# Altium PCB PCB.PcbDoc (part 2 of 2)
Units mm, origin at the board's own origin, x right, y up, seen from the top; angles counter-clockwise.
Board outline 126.1 x 30.1 mm, 6 copper layers (Top Layer, Signal Layer 1, Signal Layer 2, Signal Layer 3, Signal Layer 4, Bottom Layer), stack 1.537 mm thick; 174 components, 100 nets, 536 pads, 378 vias.
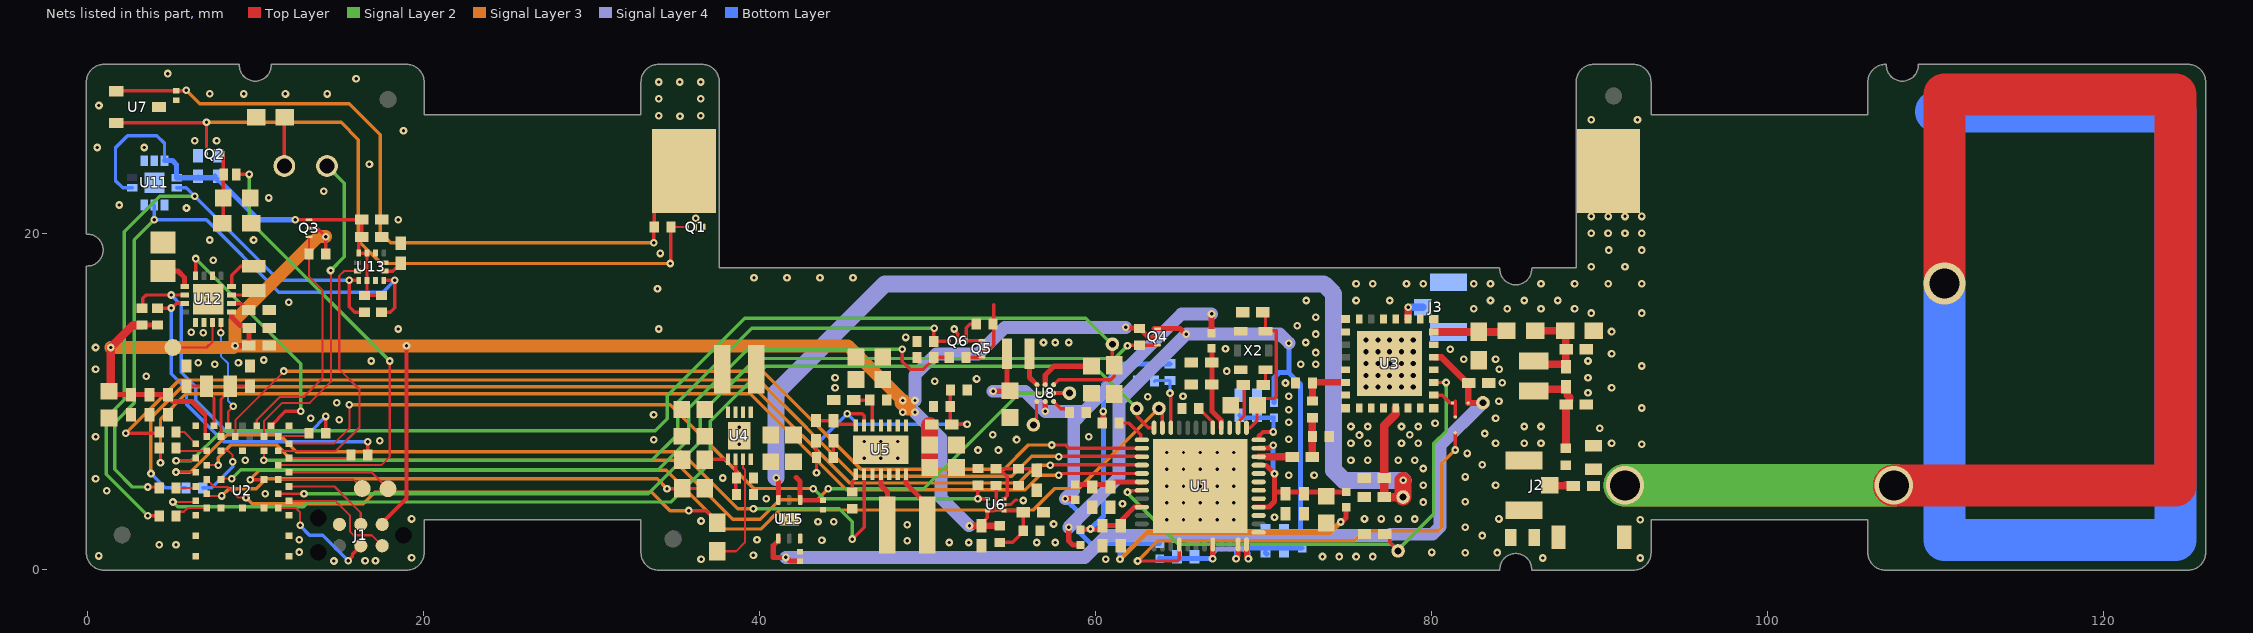
[diagram p6: the nets of this part, all layers, seen from the top]

## Via types
v1: diameter 0.457, hole 0.203, Top Layer to Bottom Layer, tented both sides, 314 vias
v2: diameter 0.457, hole 0.203, Top Layer to Bottom Layer, 33 vias
v3: diameter 0.559, hole 0.305, Top Layer to Bottom Layer, 25 vias
v4: diameter 0.5, hole 0.2, Top Layer to Bottom Layer, 3 vias
v5: diameter 2.286, hole 1.778, Top Layer to Bottom Layer, 2 vias
v6: diameter 2.5, hole 1.778, Top Layer to Bottom Layer, 1 vias

## Nets (pads, with @x,y where several pads share a name; then routed paths per layer and width w, separated by ;. In a path a pad name is that pad's centre, name@x,y a point inside that pad or via, vN(x,y) a via of type N, cw(c..) or ccw(c..) an arc to the next point about the centre after c; other vN are vias at no path point)
1V8: C37.1 FB2.1 FB4.1 FB7.1 FB8.1 L5.2 U8.C2 | length 50.4
  Top Layer w0.305: v2(53.9,10.6) 54.552,10.6 54.721,10.769 C37.1@54.721,10.808 ; L5.2@54.721,12.823 C37.1@54.721,10.808 ; C37.1@54.899,10.63 C37.1@54.721,10.808 ; v1(57,9.4) 57.005,9.405 U8.C2@57.005,9.985 ; v1(58.2,4.2) 58.75,4.2 FB2.1@58.8,4.15 ; v1(74.581,2.819) 74.61,2.849 74.68,2.849 74.9,3.068 74.9,3.608 74.919,3.627 FB7.1@74.919,3.706
  Top Layer w0.381: FB8.1@66.9,14.25 v1(66.9,15.2)
  Signal Layer 3 w0.305: v1(61.453,0.608) 63.045,2.2 73.961,2.2 v1(74.581,2.819)
  Signal Layer 4 w0.762: v2(53.9,10.6) 55.8,10.6 v1(57,9.4) 59.314,9.4 ; v1(58.2,4.2) 58.7,4.7 58.7,8.786 ; 58.7,9 58.7,8.786 ; v1(66.9,15.2) 65.114,15.2 59.314,9.4 ; 58.7,8.786 59.314,9.4
  Bottom Layer w0.305: v1@58.3,4.1 59,3.4 59,2.236 59.708,1.529 61.453,1.529 ; v1(61.453,0.608) 61.453,1.529 ; FB4.1@63.808,1.529 61.453,1.529
1V8_EN: R60.2 TP20.TP U2.29 U8.A3 | length 67.8
  Top Layer w0.127: v1(5.289,6.46) 5.321,6.492 6.328,6.492 U2.29@6.465,6.628
  Top Layer w0.203: U8.A3@57.505,10.985 57.806,11.287 60.902,11.287 61.111,11.496 R60.2@61.111,12.135 61,12.246 TP20.TP@61,13.4
  Signal Layer 2 w0.203: v1(5.289,6.46) 6.204,6.46 7.994,8.251 33.801,8.251 34.519,8.968 34.519,10.338 39.116,14.935 59.425,14.935 60.952,13.407 TP20.TP@61.162,13.407
1V8_MODE: TP21.TP U2.30 U8.B3 | length 58.1
  Top Layer w0.127: U2.30@7.115,6.203 7.118,6.2 v1(7.8,6.2)
  Top Layer w0.203: U8.B3@57.505,10.485 TP21.TP@58.444,10.485
  Signal Layer 2 w0.203: v1(44.1,4.8) 49.783,4.8 55.468,10.485 TP21.TP@58.444,10.485 TP21.TP@58.347,10.583
  Signal Layer 3 w0.203: v1(7.8,6.2) 7.8,6.646 8.554,7.4 11.269,7.4 12.169,6.5 34.9,6.5 38.421,2.979 40.036,2.979 41.202,4.145 43.445,4.145 v1(44.1,4.8)
2V7: C48.1 C68.1 SB2.2 TP6.TP U3.5 U15.1 | length 55.7
  Top Layer w0.305: U15.1@41.123,1.829 41.123,1.709 40.824,1.41 40.824,0.711 v1(41.561,0.711) 41.602,0.711 41.814,0.5 42.405,0.5 C68.1@42.423,0.482
  Top Layer w0.381: U3.5@80.123,12.621 80.133,12.611 80.589,12.611 82.1,11.1 C48.1@82.2,11.1 82.299,11.001 82.279,11.001 82.269,10.991 82.165,10.991 SB2.2@82.165,9.9 TP6.TP@82.7,9.9
  Signal Layer 4 w0.762: v1(41.561,0.711) 59.361,0.711 60.656,2.007 77.445,2.007 77.529,2.091 80.054,2.091 80.5,2.537 80.5,7.363 TP6.TP@83.048,9.911
3V3: C14.1 C15.1 C16.1 C17.1 C28.1 C31.1 C32.1 C40.1 C41.1 C90.1 J1.1 Q3.2 Q4.2 R19.1 R22.2 R30.2 R31.2 R32.1 R33.1 R44.2 U2.25 U5.8 U5.9 U6.6 U12.13 | length 121.5
  Top Layer w0.203: 7.018,9.212 7.018,8 U2.25@7.115,7.903 ; Q3.2@13.199,20.3 13.7,20.3 v1(14.2,19.8) R33.1@14.2,18.759 ; C28.1@53.2,2.6 53.2,2.7 53.56,3.06 U6.6@53.56,3.49 53.561,3.492 53.931,3.492 54.085,3.646 R19.1@54.085,4.99
  Top Layer w0.254: J1.1@17.551,2.673 17.551,2.762 19,4.21 v1(19,13.3)
  Top Layer w0.305: C17.1@1.3,10.6 1.5,10.4 C16.1@2.6,10.4 C15.1@3.7,10.4 C14.1@4.8,10.4 4.8,10.3 5.112,9.988 6.242,9.988 7.018,9.212 ; C17.1@1.4,10.648 C17.1@1.516,10.532 ; R30.2@3.267,14.542 4.194,14.542 R31.2@4.196,14.54 R31.2@4.236,14.5 ; R30.2@3.307,14.54 R30.2@3.315,14.531 ; U12.13@8.592,15.325 8.598,15.325 8.601,15.322 8.601,14.991 9.071,14.52 9.487,14.52 C40.1@9.635,14.373 C41.1@9.635,13.306 ; v1(8.8,13.3) 8.807,13.307 C41.1@9.634,13.307 ; v1(61.792,14.402) 61.821,14.373 62.576,14.373 R32.1@62.618,14.331 ; R32.1@62.6,14.331 R32.1@62.618,14.331 ; Q4.2@63.685,13.831 63.128,13.831 62.628,14.331 R32.1@62.618,14.331
  Top Layer w0.381: v1(52.5,2.6) C28.1@53.2,2.6 R44.2@54.3,2.6
  Top Layer w0.5: C17.1@1.4,10.648 v1(1.4,13.2) 2.732,14.532 3.257,14.532 R30.2@3.267,14.542
  Top Layer w1.016: C31.1@50.13,6.059 C32.1@50.13,7.406 C90.1@50.13,8.573
  Signal Layer 3 w0.762: v1(1.4,13.2) 8.7,13.2 v1(8.8,13.3) 8.8,14.831 13.769,19.8 v1(14.2,19.8) ; v1@8.866,13.3 v1(19,13.3) 45.276,13.3 48.543,10.033 v1@48.543,9.931
  Signal Layer 3 w1.016: v1@48.543,9.931 48.797,9.677
  Signal Layer 4 w0.762: v1(49.254,9.352) 50.802,7.803 50.802,4.258 v1@52.46,2.6 ; v1(49.254,10.049) 49.254,11.557 50.52,12.823 53.023,12.823 54.6,14.4 v1@61.792,14.4
  other v1: 48.517,9.352 48.517,10.049
3V3_MODE: U2.31 U5.2 | length 49.7
  Top Layer w0.127: v1(5.283,5.791) 6.452,5.791 U2.31@6.465,5.778
  Top Layer w0.203: v1(45.52,1.803) 46.228,2.511 U5.2@46.228,5.66
  Signal Layer 2 w0.203: v1(39.641,3.604) 39.645,3.6 44.746,3.6 45.52,2.825 v1(45.52,1.803)
  Signal Layer 3 w0.203: v1(5.283,5.791) 6.121,5.791 8.33,8 11.445,8 12.441,7.004 35.307,7.004 38.707,3.604 v1(39.641,3.604)
3V3_SW1: L4.1 U5.4 | length 3.2
  Top Layer w0.305: U5.4@47.228,5.66 47.228,4.989 47.612,4.605 L4.1@47.612,2.63
3V3_SW2: L4.2 U5.7 | length 3.5
  Top Layer w0.305: U5.7@48.728,5.66 48.728,5.094 49.982,3.84 L4.2@49.982,2.63
4V2: C26.1 C27.1 C46.1 C47.1 C67.1 R15.2 TP4.TP U3.26 U4.8 U15.4 U15.6 | length 67.4
  Top Layer w0.254: U15.4@42.425,4.135 42.423,4.133 U15.4@42.423,4.129 42.423,4.117 42.425,4.115 C67.1@43.79,4.115
  Top Layer w0.305: U15.6@41.123,4.129 41.123,5.239 ; 42.189,5.461 42.423,5.228 U15.4@42.423,4.133
  Top Layer w0.508: U3.26@77.861,9.575 77.861,9.247 77.181,8.566 C46.1@77.181,5.449 C47.1@77.181,4.304 TP4.TP@78.1,4.304
  Top Layer w1.016: TP4.TP@78.3,4.304 v1(78.3,5.3)
  Signal Layer 4 w1.016: v1(40.996,5.461) 40.996,10.516 47.469,16.989 73.573,16.989 74.168,16.394 74.168,5.895 74.763,5.3 v1(78.3,5.3)
4V2_MODE: R18.1 U2.32 | length 32
  Top Layer w0.127: U2.32@7.115,5.353 7.566,4.902 8.357,4.902 8.992,4.267 v1(9.449,4.267)
  Top Layer w0.203: v1(35.8,3.5) 36.821,3.5 37.49,2.83 R18.1@37.49,2.78
  Signal Layer 3 w0.203: v1(9.449,4.267) 9.816,3.9 16.416,3.9 17.108,4.592 33.586,4.592 34.678,3.5 v1(35.8,3.5)
4V2_S\H\D\N\: R17.1 R59.2 U2.34 | length 30.4
  Top Layer w0.127: U2.34@7.115,4.503 7.249,4.37 v1(8.007,4.37)
  Top Layer w0.203: v1(34.5,4.8) 35.537,4.8 35.549,4.813 R17.1@36.745,4.813
  Signal Layer 3 w0.203: v1(8.007,4.37) 8.437,4.801 10.058,4.801 10.647,5.389 33.911,5.389 v1(34.5,4.8)
\C\O\L\D\: R46.2 U2.13 U6.4 | length 46.4
  Top Layer w0.127: U2.13@12.015,7.478 12.037,7.5 14.7,7.5 15.6,8.4 v1(15.6,9.8)
  Top Layer w0.203: R46.2@53,5 v1(53,4.2) 53.01,4.19 U6.4@53.56,4.19
  Signal Layer 2 w0.203: v1(43.2,4.8) 43.226,4.8 43.826,4.2 v1(53,4.2)
  Signal Layer 3 w0.203: v1(15.6,9.8) 34.68,9.8 39.668,4.812 v1@43.2,4.812
ACC_INT1_XL: U2.12 U13.12 | length 16.1
  Top Layer w0.127: U2.12@11.365,7.053 14.808,7.053 16.2,8.445 16.2,10.7 15,11.9 15,17.461 15.289,17.75 U13.12@16.085,17.75
ARTIC_3V3: FB1.1 FB9.1 FB10.1 Q4.3 | length 38.6
  Top Layer w0.305: v1(58.4,2.5) 58.4,1.694 58.654,1.44 FB1.1@59.2,1.44 ; 63.485,14.331 Q4.3@63.685,14.331 65.027,14.331 65.359,14 v1(65.4,14)
  Signal Layer 4 w0.762: v1@58.401,2.501 61.4,5.5 61.4,10 v1(65.4,14) 70.962,14 v1(71.5,13.462)
  Bottom Layer w0.305: FB10.1@70.615,9.919 70.615,11.4 70.921,11.705 71.5,11.705 ; v1(71.5,13.462) 71.5,11.705 ; FB9.1@72.3,2.15 72.202,2.248 72.202,2.424 72.2,2.426 72.2,11.005 71.5,11.705
Artic_INT1: TP1.TP U1.47 U2.41 | length 60.9
  Top Layer w0.203: v1(9.703,5.334) 9.713,5.344 10.505,5.344 U2.41@10.515,5.353 ; TP1.TP@63.769,9.576 63.769,9.411 63.979,9.201 U1.47@63.979,8.429
  Signal Layer 3 w0.203: v1(9.703,5.334) 9.751,5.285 9.751,5.427 10.231,5.906 34.467,5.906 37.974,2.4 40.074,2.4 41.207,3.534 56.3,3.534 57.579,4.812 59.006,4.812 TP1.TP@63.769,9.576
Artic_INT2: TP2.TP U1.48 U2.35 | length 66.6
  Top Layer w0.127: v1(5.104,4.011) 6.397,4.011 U2.35@6.465,4.078
  Top Layer w0.203: TP2.TP@62.448,9.576 62.448,9.126 63.145,8.429 U1.48@63.479,8.429
  Signal Layer 2 w0.203: v1(5.104,4.011) 5.381,3.734 12.888,3.734 13.165,4.011 34.748,4.011 37.084,6.347 37.084,8.814 40.361,12.09 59.934,12.09 TP2.TP@62.448,9.576
Artic_MISO: R49.2 U1.5 | length 65.5
  Top Layer w0.203: R49.2@4.283,7.233 4.452,7.065 4.365,6.978 v1(4.365,6.345) ; v1(57.8,5.6) v1@57.904,5.704 ; v1@57.806,5.704 v1@57.904,5.704 ; U1.5@62.744,5.703 62.743,5.704 v1@57.904,5.704
  Signal Layer 3 w0.203: v1(4.365,6.345) 4.365,8.949 5.869,10.454 39.441,10.454 45.161,4.733 55.808,4.733 56.675,5.6 v1(57.8,5.6)
Artic_MOSI: R48.2 U1.4 | length 68.3
  Top Layer w0.203: v1(57.3,6.2) v1@57.319,6.219 ; v1@57.31,6.219 v1@57.319,6.219 ; U1.4@62.719,6.211 62.711,6.219 v1@57.319,6.219
  Signal Layer 3 w0.203: v1@3.789,5.692 3.789,9.008 5.641,10.86 39.642,10.86 45.362,5.14 55.431,5.14 56.492,6.2 v1(57.3,6.2)
  Bottom Layer w0.203: v1(3.8,5.7) 4.649,4.851 R48.2@5.875,4.851
Artic_NSS: U1.2 U2.21 | length 59.3
  Top Layer w0.127: U2.21@8.849,7.938 U2.21@8.815,7.903 8.815,8.881 11.7,11.766 v1(11.7,11.8)
  Top Layer w0.203: v1(57.4,7.4) 58.2,7.4 ; 58.215,7.4 58.41,7.204 U1.2@62.754,7.204 U1.2@62.749,7.2
  Signal Layer 3 w0.203: v1(11.7,11.8) 40.197,11.8 46.044,5.953 54.555,5.953 56.002,7.4 v1(57.4,7.4)
ARTIC_ON_3V3: Q4.1 R32.2 U2.6 | length 56.9
  Top Layer w0.127: U2.6@11.365,4.503 11.368,4.5 v1(12.9,4.5)
  Top Layer w0.203: v1(61.9,13.3) 61.931,13.331 Q4.1@63.685,13.331
  Signal Layer 2 w0.203: v1(12.9,4.5) 33.383,4.5 36.474,7.592 36.474,9.22 39.802,12.548 61.153,12.548 61.9,13.294 v1(61.9,13.3)
Artic_SCK: R47.2 U1.3 | length 66.7
  Top Layer w0.203: v1(2.3,8.1) 4.21,8.1 R47.2@4.283,8.173 ; v1@57.8,6.719 62.719,6.719 U1.3@62.744,6.694
  Signal Layer 3 w0.203: v1(2.3,8.1) 5.467,11.267 39.963,11.267 45.683,5.546 55.002,5.546 56.189,6.733 57.766,6.733 v1(57.8,6.7)
GND: BT1.2 C1.2 C2.2 C3.2 C4.2 C5.2 C6.2 C7.2 C8.2 C9.2 C10.2 C11.2 C12.2 C13.2 C14.2 C15.2 C16.2 C17.2 C18.2 C19.2 C20.2 C22.2 C23.2 C24.2 C25.2 C26.2 C27.2 C28.2 C29.2 C30.2 C31.2 C32.2 C33.2 C34.2 C35.2 C36.2 C37.2 C38.2 C40.2 C41.2 C42.2 C43.2 C44.2 C45.2 C46.2 C47.2 C48.2 C49.1 C60.2 C61.2 C62.2 C63.1 C65.1 C66.1 C67.2 C68.2 C89.2 J1.3 J2.2 J2.3 J3.2 J3.3 L9.2 L10.2 Q2.2 Q6.2 R2.2 R6.1 R7.1 R9.1 R10.1 R11.1 R12.1 R16.1 R20.1 R25.1 R26.1 R42.1 R43.1 R45.1 R46.1 R56.2 R58.1 R59.1 R60.1 U1.25 U1.27 U1.29 U1.30 U1.31 U1.32 U1.39 U1.49 U2.1 U2.2 U2.3 U2.15 U2.26 U2.37 U2.38 U2.39 U2.40 U2.43 U2.46 U2.47 U3.1 U3.4 U3.6 U3.8 U3.9 U3.11 U3.12 U3.14 U3.15 U3.16 U3.19 U3.21 U3.22 U3.23 U3.24 U3.25 U3.27 U3.28 U3.29 U4.2 U4.3 U4.9 U5.3 U5.5 U5.6 U5.15 U6.2 U7.2 U8.B1 U8.B2 U11.3 U11.5 U11.8 U11.9 U11.11 U12.2 U12.9 U12.10 U12.17 U13.3 U13.6 U13.8 U15.3 U15.7 X2.1 X2.3 | length 1.7
  Top Layer w0.178: U6.2@54.56,3.84 54.571,3.851 54.934,3.851 55.2,4.117 55.326,4.117
  Top Layer w0.203: v1(51.6,14.3) 51.6,14.231 51.8,14.031 51.8,13.582 Q6.2@51.794,13.576
  other v1: 14.681,0.501 16.535,0.508 17.157,0.508 60.6,0.6 36.525,0.609 86.6,0.676 92.4,0.676 19.3,0.7 73.5,0.761 74.5,0.761 75.5,0.761 76.5,0.761 0.688,0.8 39.641,0.85 81.997,0.983 80,1.007 83.9,1 12.626,1.029 4.283,1.471 5.283,1.471 51.3,1.6 52.46,1.6 56.5,1.6 57.6,1.6 48.802,1.709 43.717,1.738 12.626,1.759 39.853,1.766 83,2.013 82,2.5 48.802,2.646 57.5,2.7 43.483,2.83 44.425,2.83 36.525,2.88 92.4,2.954 19.3,3 76,3 77,3 78,3 78.997,2.998 84,3 70.644,3.104 61.6,3.9 79.5,4.005 82,4.017 55.7,4.1 40.4,4.2 10.6,4.5 1.164,4.681 79.5,5.004 83.8,5 0.5,5.4 37.821,5.436 82,5.5 71.5,5.6 73,5.6 79.5,6.003 83,6.219 9.4,6.5 75.193,6.5 76.201,6.5 78,6.5 78.997,6.5 82.112,6.898 53.005,7.1 54.221,7.1 92.5,7.454 75.193,7.508 76.201,7.5 78.2,7.508 79.2,7.5 83.8,7.5 85.5,7.5 86.5,7.5 90.7,7.512 17.4,7.645 33.718,7.717 55.3,7.723 71.5,7.75 0.5,7.9 59.6,7.9 75.7,7.99 53.883,8.019 78.7,8.019 83.158,8.085 90,8.4 75.193,8.5 76.201,8.5 78.2,8.5 79.2,8.5 85.5,8.5 86.5,8.5 80.2,8.7 71.5,8.75 15,8.908 13.3,9 83.8,9 33.7,9.2 71.5,9.5 92.5,9.6 14.846,9.907 84,10.002 63.1,10.277 65.2,10.3 71.501,10.3 89.3,10.5 44.5,10.8 90.7,10.8 71.3,11.091 84.2,11.1 50.43,11.192 52.918,11.331 44.5,11.4 89.3,11.4 3.508,11.5 67.8,11.8 0.5,11.9 84.022,11.9 92.5,12.1 7.582,12.2 72.2,12.2 73.1,12.2 6.612,12.3 9,12.3 16.9,12.4 89.3,12.4 10.5,12.459 81.9,12.5 83.8,12.5 90.7,12.821 73.1,12.9 81.1,13.1 67.73,13.129 0.5,13.2 56.9,13.5 57.6,13.5 58.412,13.5 72.5,13.5 48.7,13.8 73.1,14 6.9,14.077 6.2,14.1 90.7,14.15 18.5,14.3 34,14.3 72,14.5 73.1,15 89.5,15.25 92.5,15.25 82.5,15.5 84.5,15.5 86.5,15.5 88.5,15.5 12,15.888 72.531,16 75.5,16 77.498,16 83.5,16 85.5,16 87.5,16 33.932,16.7 75.5,17 76.5,17 78.5,17 79.5,17 82.5,17 83.5,17 86.5,17 88.5,17 90.5,17 92.5,17 39.675,17.348 41.639,17.348 43.603,17.348 45.568,17.348 89.5,18 91.5,18 7.5,18.4 34.1,18.8 90.532,19 92.5,19 7.3,19.6 9.9,19.6 89.5,20 90.493,20 91.5,20 92.5,20 18.5,20.802 89.5,21 90.511,21 91.5,21 92.5,21 5.909,21.5 1.9,21.68 10.8,22.1 14.083,22.5 16.793,24.1 0.6,25.1 3.4,25.1 6.4,25.5 7.7,25.5 18.821,26.1 89.497,26.744 92.247,26.744 0.7,27.6 9.309,28.29 11.797,28.29 14.284,28.29 7.3,28.3 16,29.188 4.791,29.5
  other v2: 64.229,2.954 65.229,2.954 66.229,2.954 67.229,2.954 68.229,2.954 64.229,3.954 65.229,3.954 66.229,3.954 67.229,3.954 68.229,3.954 64.229,4.954 65.229,4.954 66.229,4.954 67.229,4.954 68.229,4.954 64.229,5.954 65.229,5.954 66.229,5.954 67.229,5.954 68.229,5.954 46.228,6.61 47.228,6.61 48.228,6.61 64.229,6.954 65.229,6.954 66.229,6.954 67.229,6.954 68.229,6.954 46.228,7.61 47.228,7.61 48.228,7.61 7.202,16.075
  other v3: 76.098,10.846 76.798,10.846 77.498,10.846 78.198,10.846 78.898,10.846 76.098,11.546 76.798,11.546 77.498,11.546 78.198,11.546 78.898,11.546 76.098,12.246 76.798,12.246 77.498,12.246 78.198,12.246 78.898,12.246 76.098,12.946 76.798,12.946 77.498,12.946 78.198,12.946 78.898,12.946 76.098,13.646 76.798,13.646 77.498,13.646 78.198,13.646 78.898,13.646
  other v4: 41.773,2.979 38.803,7.453 38.803,8.453
LED: D5.1 U2.17 | length 19.5
  Top Layer w0.127: U2.17@10.515,7.903 10.515,8.815 11.607,9.907 13.244,9.907 14.5,11.163 v1@14.5,17.787
  Signal Layer 2 w0.203: D5.1@14.27,24 15.3,22.97 15.3,18.599 v1(14.483,17.783)
NetC20_1: C20.1 U2.23 X3.2 | length 4.7
  Top Layer w0.178: U2.23@7.956,7.913 U2.23@7.965,7.903 7.965,10.115 8.5,10.65 X3.2@8.5,10.8 ; X3.2@8.5,10.9 C20.1@9.7,10.9 9.7,11 C20.1@9.489,11.211
NetC21_1: C21.1 C22.1 L8.1 R5.2 R7.2 | length 5.9
  Top Layer w0.457: L8.1@86.075,12.2 C21.1@87.845,12.2 ; R5.2@86.15,14.2 R7.2@87.95,14.2 87.975,14.175 C21.1@87.975,11.93
NetC21_2: C21.2 C23.1 L8.2 R1.1 | length 5.4
  Top Layer w0.457: L8.2@86.075,10.72 C21.2@87.858,10.72 ; 87.975,7.5 87.987,7.512 C23.1@87.987,9.8 ; C23.1@88,9.8 88.1,9.8 88.171,9.871 88.171,10.038 88.2,10.067 88.2,10.233 88.071,10.362 88.071,10.79 C21.2@88,10.862
NetC34_1: C34.1 D7.2 Q2.1 R42.2 | length 3.8
  Top Layer w0.203: R42.2@8.1,20.7 8.1,22.2 8.1,23.6 8.1,24.5
NetC35_1: C35.1 R19.2 R43.2 U6.3 | length 4.8
  Top Layer w0.203: U6.3@54.56,4.19 54.607,4.19 54.608,4.192 54.608,4.239 54.746,4.376 54.746,5.5 54.256,5.99 R19.2@54.085,5.99 54.087,5.991 54.256,5.991 R43.2@55.406,5.992 R43.2@55.406,5.992 C35.1@56.395,5.992 ; C35.1@56.495,5.992 C35.1@56.624,5.864
NetC38_1: C38.1 U2.24 X3.1 | length 3.7
  Top Layer w0.178: C38.1@5.9,10.9 X3.1@7.1,10.9 7.1,10.65 7.54,10.21 U2.24@7.54,8.553
NetC39_2: C39.2 R8.1 R10.2 | length 2.3
  Top Layer w0.457: C39.2@72.9,6.687 R10.2@72.9,7.919 R8.1@72.9,9.025
NetC42_1: C42.1 U12.14 | length 1.2
  Top Layer w0.203: U12.14@8.592,15.825 8.61,15.807 9.157,15.807 9.525,15.44 C42.1@9.625,15.44
NetC45_1: C45.1 U13.5 | length 1.1
  Top Layer w0.203: U13.5@17.715,17.75 18.191,17.75 C45.1@18.656,18.215
NetC60_1: C60.1 R44.1 R45.2 U6.1 | length 4.1
  Top Layer w0.203: R44.1@54.2,1.5 R44.1@54.3,1.6 54.315,1.615 55.065,1.615 55.7,2.25 R45.2@55.7,2.3 C60.1@55.7,3.4 55.611,3.489 54.561,3.489 U6.1@54.56,3.49
NetC63_2: C63.2 C65.2 U1.37 X2.6 | length 8.5
  Top Layer w0.203: U1.37@68.979,8.429 69.203,8.429 69.602,8.828 C65.2@69.602,9.361 ; C65.2@69.589,9.767 69.988,10.165 70.633,10.165 70.752,10.285 70.752,14.199 X2.6@70.111,14.199 ; C63.2@69.95,15.3 70.111,15.139 X2.6@70.111,14.199 ; X2.6@70.085,14.199 X2.6@70.111,14.199 ; X2.6@70.111,14.168 X2.6@70.111,14.199
NetC64_1: C64.1 X2.4 | length 0.9
  Top Layer w0.203: C64.1@69.974,10.961 70.11,11.097 X2.4@70.11,11.85
NetC64_2: C64.2 U1.38 | length 2.6
  Top Layer w0.203: U1.38@68.479,8.429 68.494,8.444 68.494,8.785 68.838,9.129 68.838,10.862 C64.2@68.789,10.91
NetC66_2: C66.2 U12.5 | length 2
  Top Layer w0.305: C66.2@4.514,17.746 5.412,17.746 5.801,17.357 5.801,16.827 5.803,16.825 U12.5@5.812,16.825
NetC89_1: C89.1 R24.1 U5.12 | length 2.5
  Top Layer w0.203: C89.1@45.612,10.073 R24.1@46.57,10.073 46.705,9.937 46.705,8.584 U5.12@46.728,8.56
NetC90_2: C90.2 C92.2 R20.2 R22.1 R66.1 U5.13 | length 18.3
  Top Layer w0.203: C92.2@43.361,7.658 43.378,7.641 43.378,6.674 R66.1@43.395,6.657 v1@43.395,5.706 ; v1(45.215,9.262) 46.109,9.262 46.228,9.143 U5.13@46.228,8.56 ; R20.2@51.37,10.668 51.362,10.66 51.362,9.702 R22.1@51.354,9.694 51.354,8.722 C90.2@51.454,8.622 51.466,8.634 v1(52.352,8.634)
  Bottom Layer w0.203: v1@43.395,5.706 43.395,7.441 v1(45.215,9.262) 45.844,8.634 v1(52.352,8.634)
  other v1: 43.395,5.743
NetC91_1: C91.1 C92.1 U5.14 | length 2.5
  Top Layer w0.203: C92.1@43.361,8.858 43.375,8.844 C91.1@44.403,8.844 44.601,8.645 45.705,8.645 45.728,8.622 U5.14@45.728,8.56
NetC91_2: C91.2 R66.2 | length 1
  Top Layer w0.203: R66.2@44.395,6.657 44.399,6.661 44.399,7.64 C91.2@44.403,7.644
NetD5_2: D5.2 R11.2 | length 3
  Top Layer w0.203: D5.2@11.73,24 11.73,26.88 R11.2@11.75,26.9 R11.2@11.83,26.82
NetJ3_1: J3.1 U3.10 | length 1.6
  Top Layer w0.457: U3.10@78.586,14.896 78.6,14.909 v1(78.6,15.6)
  Bottom Layer w0.457: v1(78.6,15.6) J3.1@79.476,15.6
NetL3_2: L3.2 U4.1
NetQ1_1: Q1.1 Q2.3 R23.1 U7.3 | length 45.1
  Top Layer w0.127: R23.1@34.739,20.371 Q1.1@35.72,20.371
  Top Layer w0.203: U7.3@1.725,26.55 1.75,26.575 v1@7.1,26.575 ; Q2.3@7.1,24.7 v1@7.1,26.575 ; v1(7.1,26.6) v1@7.1,26.575 ; v1@34.7,18.144 34.72,18.164 34.72,20.351 R23.1@34.739,20.371
  Signal Layer 3 w0.203: v1(7.1,26.6) 15.108,26.6 16.135,25.573 16.135,19.565 17.5,18.2 v1(34.7,18.2)
NetQ5_1: Q5.1 Q6.3 R21.2 | length 2.5
  Top Layer w0.203: R21.2@52.9,14.6 52.89,14.59 52.511,14.59 52.294,14.373 Q6.3@52.294,13.576 52.317,13.6 53.219,13.6 Q5.1@53.242,13.623 ; R21.2@52.901,14.406 R21.2@52.95,14.455
NetQ5_3: Q5.3 R54.2 | length 1
  Top Layer w0.203: R54.2@52.294,12.613 52.304,12.623 Q5.3@53.242,12.623
NetR2_1: R2.1 R67.1 U1.46 | length 3.7
  Top Layer w0.203: v1(64.43,10.49) 64.43,10.421 64.479,10.372 U1.46@64.479,8.429
  Bottom Layer w0.203: R2.1@63.533,11.204 63.566,11.238 64.033,11.238 R67.1@64.43,11.238 v1(64.43,10.49)
NetR3_1: R3.1 U1.1 | length 1.9
  Top Layer w0.203: R3.1@61.4,8.711 61.979,8.711 62.686,8.004 62.686,7.74 62.721,7.704 U1.1@62.754,7.704
NetR9_2: R9.2 U1.41 | length 1.5
  Top Layer w0.203: R9.2@66.148,9.538 66.148,9.506 66.313,9.34 66.374,9.34 66.847,8.867 66.979,8.735 U1.41@66.979,8.429
NetR15_1: R15.1 R16.2 U4.6 | length 2.1
  Top Layer w0.203: U4.6@38.578,6.553 38.601,6.53 38.601,4.485 R16.2@38.641,4.445
NetR17_2: R17.2 U4.5 | length 1.4
  Top Layer w0.203: R17.2@36.745,6.513 36.785,6.553 U4.5@38.128,6.553
NetR18_2: R18.2 U4.7 | length 6.9
  Top Layer w0.127: R18.2@37.49,1.08 38.615,1.08 39.141,1.607 39.141,5.918 39.028,6.032 U4.7@39.028,6.553
NetR25_2: R25.2 U5.1 | length 1.1
  Top Layer w0.203: R25.2@45.52,4.604 45.52,5.227 45.728,5.435 U5.1@45.728,5.66
NetR26_2: R26.2 U8.C3 | length 1.2
  Top Layer w0.203: U8.C3@57.505,9.985 57.938,9.552 58.271,9.552 58.444,9.379 R26.2@58.444,9.329
NetR47_1: R47.1 U2.27 | length 1.5
  Top Layer w0.127: R47.1@5.283,8.173 5.771,8.173 U2.27@6.465,7.478
NetR48_1: R48.1 U2.44 | length 3.8
  Top Layer w0.127: U2.44@7.965,7.053 8.383,7.053 8.655,6.782 v1(8.655,6.398)
  Bottom Layer w0.203: R48.1@6.875,4.851 7.405,4.851 8.655,6.101 v1(8.655,6.398)
NetR49_1: R49.1 U2.28 | length 1.9
  Top Layer w0.127: R49.1@5.283,7.233 5.463,7.053 U2.28@7.115,7.053
NetR50_2: R50.2 U2.36 | length 2.1
  Top Layer w0.127: R50.2@5.283,3.169 5.283,3.219 5.495,3.431 5.756,3.431 5.979,3.653 U2.36@7.115,3.653
NetR51_2: R51.2 U2.33 | length 1.2
  Top Layer w0.127: R51.2@5.283,4.845 6.382,4.845 U2.33@6.465,4.928
NetR52_1: R52.1 U2.14 | length 1.8
  Top Layer w0.127: U2.14@11.365,7.903 11.399,7.938 R52.1@13.1,7.938 ; R52.1@13.216,7.957 R52.1@13.216,8.007
NetR53_1: R53.1 U2.11 | length 3.8
  Top Layer w0.127: U2.11@12.015,6.628 15.635,6.628 R53.1@15.788,6.782
NetSB1_1: SB1.1 SB2.1 U3.2 | length 2.2
  Top Layer w0.203: U3.2@80.123,10.371 80.617,10.371 81.088,9.9 SB2.1@81.235,9.9 ; SB1.1@81.4,9.065 81.4,10
NetTP3_TP: TP3.TP U12.11 | length 3.6
  Top Layer w0.127: TP3.TP@5.1,13.2 7.102,13.2 7.452,13.55 U12.11@7.452,14.685
NetTP19_TP: TP19.TP U8.C1 | length 1.1
  Top Layer w0.203: TP19.TP@56.412,8.948 56.486,9.023 56.486,9.967 U8.C1@56.505,9.985
NetU12_15: U12.15 X1.2 | length 1.4
  Top Layer w0.203: U12.15@8.592,16.325 9.651,16.325 X1.2@9.92,16.594
NetU12_16: U12.16 X1.1 | length 2.2
  Top Layer w0.203: U12.16@8.592,16.825 8.592,17.488 9.148,18.044 X1.1@9.92,18.044